# Altium PCB ECSE478 - DAQ Device.PcbDoc (part 2 of 4) (continued)
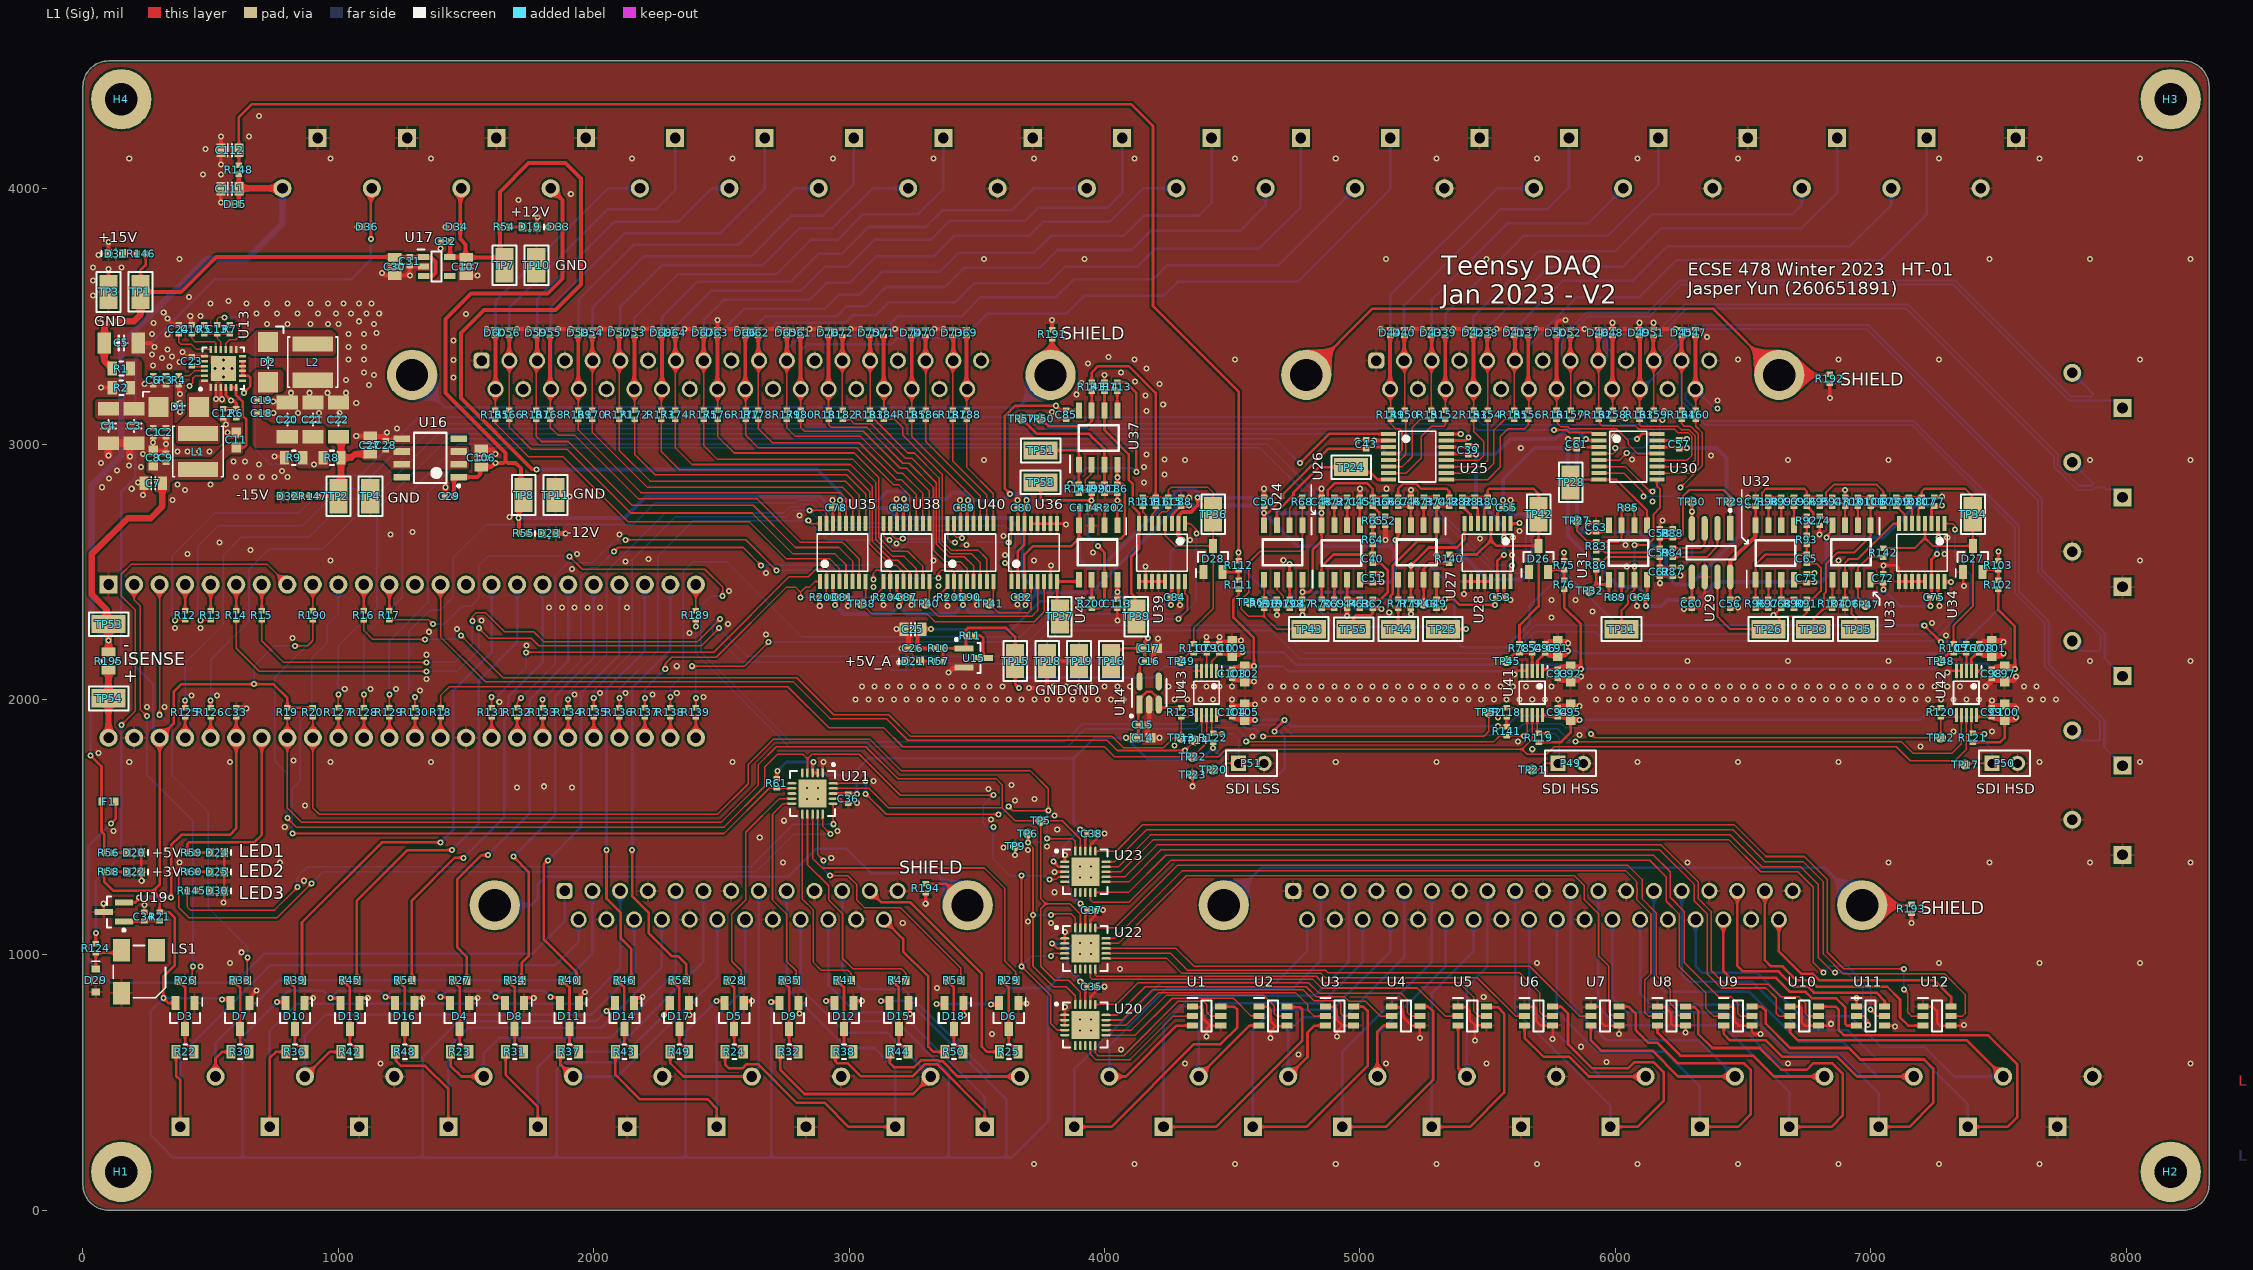
[diagram p0: L1 (Sig) view]
## Nets (pads, with @x,y where several pads share a name; then routed paths per layer and width w, separated by ;. In a path a pad name is that pad's centre, name@x,y a point inside that pad or via, vN(x,y) a via of type N, cw(c..) or ccw(c..) an arc to the next point about the centre after c; other vN are vias at no path point) (continued)
  L4 (Sig) w10: v1(3320,2275) 3640,2275 3750,2385 4015,2385 v1(4050,2420) 4085,2385 4145,2385 4160,2370 v1(4260,2370) 4260,2580 v1(4305,2625) ; v1(4775,2420) 4995,2420 5022.5,2392.5 v1(5333.75,2392.5) ; v1(6478.75,2393.75) 7013.75,2393.75 v1(7050,2430) 7115,2365 v1(7235,2365) ; v1(7260,2570) 7260,2622.33 7262.39,2624.72 7262.39,2632.39 v1(7265,2635)
  L4 (Sig) w15: v1(1775,2900) 2875,2900 2965,2810 v1(2965,2780) 3115,2780 3150,2815 3205,2815 3209.99,2810.01 3215,2805 v1(3215,2785) 3380,2785 3405,2810 3450,2810 3463.35,2796.65 3463.35,2781.65 v1(3465,2780) 3605,2780 v1(3630,2805) 3680,2805 3693.35,2791.65 3693.35,2781.65 v1(3695,2780) 3850,2780 3900,2730 3900,2550 3935,2515 3985,2515 4295,2825 4350,2825 4365,2810 v1(4365,2790) 4620,2790 4680,2730 v1(4850,2730) ; v1(5056.02,3013.98) 5110,2960 v1(5455,2960) ; v1(5565,2565) v1(5565,2635) 5565,2675 5455,2785 v1(5455,2960) ; v1(6280,2985) 6395,2985 6435,2945 6435,2810 6485,2760 ; v1(6520,2760) 6485,2760 ; v1(5455,2960) 5530,2960 5590,3020 5770,3020 5805,3055 5850,3055 v1(5885,3020) 5850,2985 5850,2675 5870,2655 v1(5895,2655) 6095,2655 6200,2550 6200,2485 6235,2450 6295,2450 6485,2640 6485,2760
+15: C5.2 C30.2 C31.2 R1.1 R146.2 TP1.1 U17.1 U17.3 | length 1906.1
  L1 (Sig) w10: TP1.1@225,3595.87 225,3680.87 245.06,3700.93 R146.2@245.06,3745.87
  L1 (Sig) w15: TP1.1@225,3595.87 385,3595.87 521.63,3732.5 C31.2@1280,3732.5 1333.73,3732.5 U17.1@1333.82,3732.4 1337.08,3729.15 1365.85,3729.15 1380,3715 1380,3670 1368.35,3658.35 1334.57,3658.35 U17.3@1333.82,3657.6
  L1 (Sig) w25: R1.1@114.57,3295.87 114.57,3304.72 109.35,3309.94 100.49,3309.94 83.07,3327.36 C5.2@83.07,3395.87 84.19,3396.99 84.19,3460.06 105,3480.87 200,3480.87 225,3505.87 TP1.1@225,3595.87
-12: C29.2 C43.2 C50.1 C51.1 C52.1 C55.2 C60.2 C61.2 C64.1 C73.1 C74.1 C77.2 C81.2 C82.2 C86.1 C87.2 C88.2 C90.2 C106.2 C114.1 D33.2 P7.2 R55.2 TP8.1 U16.1 U24.4 U25.3 U26.4 U27.4 U28.3 U29.5 U30.3 U31.4 U32.4 U33.4 U34.3 U35.3 U36.3 U37.4 U38.3 U39.3 U40.3 U44.4 | length 13956.2
  L1 (Sig) w10: U35.3@2936.61,2461.81 2936.61,2420.89 2949.7,2407.8 2951.67,2407.8 2957.5,2401.97 C81.2@2957.5,2400 2951.67,2394.17 2951.67,2380.36 2945,2373.69 v1(2945,2370) ; U38.3@3186.61,2461.81 3186.61,2420.89 3199.7,2407.8 C87.2@3201.67,2407.8 ; U40.3@3436.61,2461.81 3436.61,2420.89 3449.7,2407.8 3451.67,2407.8 3457.5,2401.97 C90.2@3457.5,2400 3451.67,2394.17 3451.67,2380.36 3445,2373.69 v1(3445,2370) ; v1(3690,2370) 3691.25,2371.25 3691.25,2398.75 C82.2@3692.5,2400 3692.5,2401.97 3686.61,2407.85 U36.3@3686.61,2461.81 3686.61,2566.61 3720,2600 3870,2600 3900,2630 ; C114.1@3902.5,2750 3902.5,2683.8 U44.4@3900,2681.3 3900,2630 ; U37.4@4050,2918.7 v1(4050,2870) C86.1@4050,2842.5 4072.5,2842.5 4080,2835 4080,2645 4065,2630 3900,2630 ; U39.3@4263.39,2688.19 4266.26,2691.06 4266.26,2723.76 4292.2,2749.7 4292.2,2751.67 4298.03,2757.5 C88.2@4300,2757.5 4327.5,2757.5 v1(4330,2760) ; U24.4@4625,2681.3 v1(4625,2730) ; C50.1@4625,2757.5 v1(4625,2730) ; U26.4@5000,2468.7 5000,2464.31 5006.81,2457.5 C51.1@5050,2457.5 5082.5,2457.5 v1(5085,2460) ; C52.1@5100,2717.5 5105.52,2711.98 5119.32,2711.98 5129.05,2702.25 5143.19,2702.25 5150,2695.44 U27.4@5150,2681.3 5150,2637.15 5140,2627.15 v1(5140,2624.69) ; U25.3@5111.81,2988.39 5032.85,2988.39 5026.97,2982.5 C43.2@5025,2982.5 4877.5,2982.5 4700,2805 4700,2790 4640.29,2730.29 4625.29,2730.29 v1(4625,2730) ; U28.3@5538.39,2688.19 5538.39,2730.89 5549.7,2742.2 5551.67,2742.2 5557.5,2748.03 C55.2@5557.5,2750 5558.75,2751.25 5558.75,2778.75 v1(5560,2780) ; v1(5815,2985) 5817.5,2982.5 C61.2@5850,2982.5 5851.97,2982.5 5857.85,2988.39 U30.3@5936.81,2988.39 ; v1(6120,2365) 6117.5,2367.5 C64.1@6117.5,2400 6117.5,2401.97 6125,2409.47 U31.4@6125,2468.7 ; v1(6270,2390) 6271.25,2391.25 6298.75,2391.25 C60.2@6300,2392.5 U29.5@6300,2479.98 ; U32.4@6700,2468.7 6700,2464.31 6706.81,2457.5 C73.1@6750,2457.5 6751.25,2458.75 6778.75,2458.75 v1(6780,2460) ; C74.1@6800,2717.5 6805.52,2711.98 6819.32,2711.98 6829.05,2702.25 6843.19,2702.25 6850,2695.44 6850,2662.6 6840.79,2653.39 6840.79,2650.79 6826.57,2636.57 v1(6826.57,2634.37) ; U34.3@7238.39,2688.19 7238.39,2745.82 7242.2,2749.63 7242.2,2751.67 7248.03,2757.5 C77.2@7250,2757.5 7277.5,2757.5 v1(7280,2760)
  L1 (Sig) w15: C29.2@1452.5,2795.87 1452.5,2865.57 1457.8,2870.87 U16.1@1471.22,2870.87 1545,2870.87 1555,2880.87 1555,2905.43 1560.72,2911.15 1600.29,2911.15 v1(1615,2925.87) 1646.21,2925.87 1655,2934.65 ; R55.2@1707.5,2650 1707.5,2705.17 1705,2707.67 1705,2712.33 1707.5,2714.83 1707.5,2782.5 TP8.1@1725,2800 1715,2810 1715,2905 1694.13,2925.87 1663.79,2925.87 1655,2934.65 ; P7.2@1831.1,4001.57 1877.56,3955.12 D33.2@1877.56,3850 1877.56,3647.56 1820,3590 1520,3590 1420,3490 1420,3200 1655,2965 1655,2934.65 ; v1(3195,2365) 3195,2367.33 3204.17,2376.51 3204.17,2396.67 C87.2@3207.5,2400
  L4 (Sig) w15: v1(1705,2710) 2120,2710 2205,2795 2885,2795 2930,2750 3145,2750 3185,2710 3625,2710 3680,2655 3680,2480 3740,2420 ; v1(2945,2370) 2980,2335 3165,2335 v1(3195,2365) 3225,2335 3410,2335 v1(3445,2370) 3475,2340 3662.33,2340 3690,2367.67 v1(3690,2370) 3740,2420 ; v1(5085,2460) 5120,2460 5135,2475 5135,2580 5115,2600 ; v1(7280,2760) 7175,2760 7049.37,2634.37 v1(6826.57,2634.37) 6826.57,2481.57 6805,2460 v1(6780,2460) 6395,2460 6325,2390 v1(6270,2390) 6205,2390 6180,2365 v1(6120,2365) 6120,2410 6090,2440 6015,2440 5815,2640 v1(5815,2985) 5685,2985 5560,2860 v1(5560,2780) 5561.65,2778.35 5561.65,2753.35 5590,2725 5650,2725 5675,2700 5675,2510 5635,2470 5500,2470 5345.31,2624.69 v1(5140,2624.69) 5139.69,2624.69 5115,2600 ; 3740,2420 3950,2420 4290,2760 v1(4330,2760) 4595,2760 v1(4625,2730) 4755,2600 5115,2600
-15: C22.2 C27.2 C28.2 R8.1 R147.2 TP2.1 U16.2 U16.3 U16.6 U16.7 | length 442.3
  L1 (Sig) w10: R147.2@920.06,2795.87 TP2.1@1000,2795.87
  L1 (Sig) w25: TP2.1@1000,2795.87 1010.43,2806.3 R8.1@1010.43,2945.87 ; C22.2@1000,3028.94 1010.43,3018.5 R8.1@1010.43,2945.87 ; C27.2@1125,2960.43 1064.57,2960.43 1051,2946.87 1011.44,2946.87 R8.1@1010.43,2945.87
AIN_HS_DE_1_N: D52.2 J2.8 P16.1 R157.1 | length 2875.4
  L1 (Sig) w6: R157.1@5825,3132.5 J2.8@5825,3326.61
  L1 (Sig) w8: J2.8@5824.02,3327.6 J2.8@5824.8,3326.81 J2.8@5825,3326.61
  L1 (Sig) w15: J2.8@5824.02,3327.6 D52.2@5824.02,3422.44
  L4 (Sig) w8: J2.8@5824.8,3326.81 5809.92,3326.81 5795.2,3341.54 5794.02,3341.54 5788.74,3346.81 5788.74,3393.74 5895,3500 6135,3500 6260,3625 7322.37,3625 7776.59,3170.78 7956.6,3170.78 P16.1@7986.28,3141.1
AIN_HS_DE_1_P: D50.2 J2.20 P16.2 R161.1 | length 2985.2
  L1 (Sig) w6: R161.1@5770,3132.5 J2.20@5770,3214.53
  L1 (Sig) w8: D50.2@5769.02,3422.44 D50.2@5770.47,3420.98 ; J2.20@5770,3214.53 J2.20@5770.47,3215
  L1 (Sig) w15: J2.20@5770.47,3215 D50.2@5770.47,3420.98
  L4 (Sig) w8: J2.20@5770.47,3215 5770.47,3398.1 5888.37,3516 6128.37,3516 6253.37,3641 7329,3641 7783.22,3186.78 7865.55,3186.78 7870.23,3191.46 7870.23,3198.09 P16.2@7789.43,3278.9
AIN_HS_DE_2_N: D48.2 J2.22 P18.1 R158.1 | length 2903.2
  L1 (Sig) w6: R158.1@5990,3132.5 J2.22@5990,3212.8
  L1 (Sig) w8: J2.22@5989.02,3216.22 J2.22@5987.8,3215 J2.22@5990,3212.8
  L1 (Sig) w15: J2.22@5989.02,3216.22 D48.2@5989.02,3422.44
  L4 (Sig) w8: J2.22@5987.8,3215 5986.42,3216.37 5986.42,3357.99 5968.63,3375.79 5968.63,3416 5982.63,3430 6177.63,3430 6277.63,3530 7140,3530 7717.99,2952.01 7717.99,2910.62 7807.84,2820.78 7872.17,2820.78 7881.55,2830.15 7914.39,2830.15 7922,2822.54 7954.84,2822.54 P18.1@7986.28,2791.1
AIN_HS_DE_2_P: D46.2 J2.9 P18.2 R162.1 | length 2830
  L1 (Sig) w6: D46.2@5933.46,3421.89 D46.2@5934.02,3422.44 ; R162.1@5935,3132.5 J2.9@5935,3325.28
  L1 (Sig) w8: J2.9@5933.46,3326.81 J2.9@5935,3325.28
  L1 (Sig) w15: J2.9@5933.46,3326.81 D46.2@5933.46,3421.89
  L4 (Sig) w8: J2.9@5933.46,3326.81 5943.99,3337.33 5963.02,3337.33 5970.42,3344.74 5970.42,3351.37 5952.63,3369.16 5952.63,3422.63 5976,3446 6171,3446 6271,3546 7146.63,3546 7733.99,2958.64 7733.99,2917.25 7814.46,2836.78 7865.55,2836.78 7870.23,2841.46 7870.23,2848.09 P18.2@7789.43,2928.9
AIN_HS_DE_3_N: D51.2 J2.11 P22.1 R159.1 | length 2976.4
  L1 (Sig) w6: R159.1@6150,3132.5 J2.11@6150,3326.02
  L1 (Sig) w8: J2.11@6149.02,3328.58 J2.11@6150.79,3326.81 J2.11@6150,3326.02
  L1 (Sig) w15: J2.11@6149.02,3328.58 D51.2@6149.02,3422.44
  L4 (Sig) w8: J2.11@6150.79,3326.81 6163.14,3326.81 6302.33,3466 6991.63,3466 7671,2786.63 7671,2506.63 7915.84,2261.79 7915.84,2161.54 P22.1@7986.28,2091.1
AIN_HS_DE_3_P: D49.2 J2.23 P22.2 R163.1 | length 3057.3
  L1 (Sig) w6: R163.1@6095,3132.5 J2.23@6095,3213.54
  L1 (Sig) w8: D49.2@6094.02,3422.44 D49.2@6096.46,3420 ; J2.23@6095,3213.54 J2.23@6096.46,3215
  L1 (Sig) w15: J2.23@6096.46,3215 D49.2@6096.46,3420
  L4 (Sig) w8: J2.23@6096.46,3215 6103.08,3215 6200,3311.92 6200,3341.05 6308.95,3450 6985,3450 7655,2780 7655,2500 7899.84,2255.16 7899.84,2194.84 7894.85,2189.85 7828.47,2189.85 P22.2@7789.43,2228.9
AIN_HS_DE_4_N: D47.2 J2.25 P24.1 R160.1 | length 3093.5
  L1 (Sig) w6: R160.1@6315,3132.5 J2.25@6315,3213.78
  L1 (Sig) w8: J2.25@6314.02,3215.24 J2.25@6313.78,3215 J2.25@6315,3213.78
  L1 (Sig) w15: J2.25@6314.02,3215.24 D47.2@6314.02,3422.44
  L4 (Sig) w8: v1(6400,3140) 6397.01,3142.99 6385.79,3142.99 J2.25@6313.78,3215 6303.26,3204.48 6281.48,3204.48 6275.45,3198.45 6275.45,3174.55 6360,3090 7170,3090 7581,2679 7581,2424 7696,2309 7696,2139 7914.84,1920.16 7914.84,1812.54 P24.1@7986.28,1741.1
AIN_HS_DE_4_P: D45.2 J2.12 P24.2 R164.1 | length 3054.2
  L1 (Sig) w6: R164.1@6260,3132.5 J2.12@6260,3326.26
  L1 (Sig) w8: J2.12@6259.45,3326.81 J2.12@6260,3326.26 ; D45.2@6259.45,3420.91 D45.2@6260.98,3422.44
  L1 (Sig) w15: J2.12@6259.45,3326.81 D45.2@6259.45,3420.91
  L4 (Sig) w8: J2.12@6259.45,3326.81 6259.45,3167.92 6353.37,3074 7163.37,3074 7565,2672.37 7565,2417.37 7680,2302.37 7680,2132.37 7898.84,1913.53 7898.84,1844.54 7894.16,1839.85 7828.47,1839.85 P24.2@7789.43,1878.9
AIN_HS_DE_FILTERED: C76.2 R105.1 TP48.1 U42.3 | length 184.3
  L1 (Sig) w8: TP48.1@7275,2150 7304.89,2179.89 7322.39,2179.89 R105.1@7325,2182.5 C76.2@7375,2182.5 U42.3@7375,2111.61
AIN_HS_SE_1: D44.2 J2.14 P15.2 R149.1 | length 1395
  L1 (Sig) w6: D44.2@5118.5,3421.93 D44.2@5119.02,3422.44 ; R149.1@5120,3132.5 J2.14@5120,3213.5
  L1 (Sig) w10: J2.14@5118.5,3215 J2.14@5120,3213.5
  L1 (Sig) w15: J2.14@5118.5,3215 D44.2@5118.5,3421.93
  L4 (Sig) w10: J2.14@5118.5,3215 5118.5,3583.5 5536.57,4001.57 P15.2@5681.1,4001.57
AIN_HS_SE_2: D40.2 J2.2 P15.1 R150.1 | length 1538.9
  L1 (Sig) w6: R150.1@5175,3132.5 J2.2@5175,3324.65
  L1 (Sig) w10: J2.2@5174.02,3327.99 J2.2@5172.83,3326.81 J2.2@5175,3324.65
  L1 (Sig) w15: J2.2@5174.02,3327.99 D40.2@5174.02,3422.44
  L4 (Sig) w10: J2.2@5172.83,3326.81 5172.83,3542.83 5550,3920 5735,3920 5818.9,4003.9 P15.1@5818.9,4198.43
AIN_HS_SE_3: D43.2 J2.3 P17.2 R151.1 | length 1461.1
  L1 (Sig) w6: D43.2@5279.02,3422.44 D43.2@5281.5,3419.96 ; R151.1@5280,3132.5 J2.3@5280,3325.32
  L1 (Sig) w10: J2.3@5280,3325.32 J2.3@5281.5,3326.81
  L1 (Sig) w15: J2.3@5281.5,3326.81 D43.2@5281.5,3419.96
  L4 (Sig) w10: J2.3@5281.5,3326.81 5281.5,3566.5 5580,3865 5894.53,3865 P17.2@6031.1,4001.57
AIN_HS_SE_4: D39.2 J2.16 P17.1 R152.1 | length 1812.8
  L1 (Sig) w6: R152.1@5335,3132.5 J2.16@5335,3214.17
  L1 (Sig) w10: J2.16@5334.02,3216.81 J2.16@5335.83,3215 J2.16@5335,3214.17
  L1 (Sig) w15: J2.16@5334.02,3216.81 D39.2@5334.02,3422.44
  L4 (Sig) w10: J2.16@5335.83,3215 5335.83,3510.83 5640,3815 5970,3815 6168.9,4013.9 P17.1@6168.9,4198.43
AIN_HS_SE_5: D42.2 J2.17 P21.2 R153.1 | length 2107.8
  L1 (Sig) w6: R153.1@5445,3132.5 J2.17@5445,3214.49
  L1 (Sig) w10: D42.2@5444.02,3422.44 D42.2@5444.49,3421.97 ; J2.17@5444.49,3215 J2.17@5445,3214.49
  L1 (Sig) w15: J2.17@5444.49,3215 D42.2@5444.49,3421.97
  L4 (Sig) w10: J2.17@5444.49,3215 5444.49,3499.49 5700,3755 6000,3755 6145,3900 6695,3900 6731.1,3936.1 P21.2@6731.1,4001.57
AIN_HS_SE_6: D38.2 J2.5 P21.1 R154.1 | length 2221.7
  L1 (Sig) w6: R154.1@5500,3132.5 J2.5@5500,3325.63
  L1 (Sig) w10: J2.5@5499.02,3327.01 J2.5@5498.82,3326.81 J2.5@5500,3325.63
  L1 (Sig) w15: J2.5@5499.02,3327.01 D38.2@5499.02,3422.44
  L4 (Sig) w10: J2.5@5498.82,3326.81 5498.82,3453.82 5740,3695 6030,3695 6180,3845 6730,3845 6868.9,3983.9 P21.1@6868.9,4198.43
AIN_HS_SE_7: D41.2 J2.6 P23.2 R155.1 | length 2157.5
  L1 (Sig) w6: D41.2@5604.02,3422.44 D41.2@5607.48,3418.98 ; R155.1@5605,3132.5 J2.6@5605,3324.33
  L1 (Sig) w10: J2.6@5605,3324.33 J2.6@5607.48,3326.81
  L1 (Sig) w15: J2.6@5607.48,3326.81 D41.2@5607.48,3418.98
  L4 (Sig) w10: J2.6@5607.48,3326.81 5607.48,3452.48 5795,3640 6070,3640 6205,3775 6920,3775 7081.1,3936.1 P23.2@7081.1,4001.57
AIN_HS_SE_8: D37.2 J2.19 P23.1 R156.1 | length 2532.4
  L1 (Sig) w6: R156.1@5661.81,3134.31 J2.19@5661.81,3215
  L1 (Sig) w10: J2.19@5659.02,3217.8 J2.19@5661.81,3215 ; R156.1@5660,3132.5 R156.1@5661.81,3134.31
  L1 (Sig) w15: J2.19@5659.02,3217.8 D37.2@5659.02,3422.44
  L4 (Sig) w10: J2.19@5661.81,3215 5661.81,3386.81 5850,3575 6095,3575 6240,3720 7040,3720 7218.9,3898.9 P23.1@7218.9,4198.43
AIN_HS_SE_FILTERED: C54.2 R78.1 TP45.1 U41.3 | length 184.3
  L1 (Sig) w10: TP45.1@5575,2150 5603.83,2178.83 5621.33,2178.83 R78.1@5625,2182.5 C54.2@5675,2182.5 U41.3@5675,2111.61
AIN_HS_SE_MUX_OUT: TP24.1 U24.3 U25.8 | length 589.4
  L1 (Sig) w10: U24.3@4675,2681.3 4675,2735 4740,2800 4740,2810 4840,2910 TP24.1@4965,2910 4986.07,2888.93 5041.07,2888.93 5069.57,2860.43 U25.8@5111.81,2860.43
AIN_LS_MUX_1_EN: R131.2 R203.1 U35.2 | length 1701.1
  L1 (Sig) w6: R131.2@1600,1967.5 v1(1600,2010) ; v1(1735,2183.54) 1736.46,2185 2470,2185 2765,2480 2840,2480 2870,2510 2900,2510 2911.02,2498.98 U35.2@2911.02,2461.81 2911.02,2406.48 R203.1@2917.5,2400
  L4 (Sig) w6: v1(1600,2010) 1619.77,2010 1635.98,2026.22 1636.22,2026.22 1735,2125 v1(1735,2183.54)
AIN_LS_MUX_2_EN: R132.2 R204.1 U38.2 | length 2147.8
  L1 (Sig) w6: R132.2@1700,1967.5 1700,1990.23 1714.77,2005 v1(1715,2005) ; v1(2125,2625) 2595,2625 v1(2715,2505) ; v1(3095,2470) 3095,2495 3105,2505 3157.51,2505 3161.02,2501.49 U38.2@3161.02,2461.81 3161.02,2406.48 R204.1@3167.5,2400
  L4 (Sig) w6: v1(1715,2005) 1850,2140 1850,2485 1900,2535 1995,2535 2085,2625 v1(2125,2625) ; v1(2715,2505) 3060,2505 v1(3095,2470)
AIN_LS_MUX_3_EN: R133.2 R205.1 U40.2 | length 2260.9
  L1 (Sig) w6: R133.2@1800,1967.5 v1(1800,2000) ; v1@2080.31,2580.31 2095,2595 2585,2595 v1(2655,2525) ; v1(3350,2475) 3350,2495 3360,2505 3405,2505 3411.02,2498.98 U40.2@3411.02,2461.81 3411.02,2406.48 R205.1@3417.5,2400
  L4 (Sig) w6: v1(1800,2000) 1950,2150 1950,2480 1985,2515 2015,2515 v1(2080,2580) ; v1(2655,2525) 3095,2525 3145,2475 v1(3350,2475)
AIN_LS_MUX_SELECT_A0: R130.2 U36.1 | length 3252.8
  L1 (Sig) w6: R130.2@1300,1967.5 v1(1300,2010) ; v1(3610,2535) 3635.43,2509.57 U36.1@3635.43,2461.81
  L4 (Sig) w6: v1(1300,2010) 1275,2035 1275,2265 1360,2350 1400,2350 1450,2400 1450,2555 1580,2685 2155,2685 2240,2770 2790,2770 2799.5,2779.5 2870.5,2779.5 2960,2690 3180,2690 3190,2680 3610,2680 3650,2640 3650,2570 3621.22,2541.22 3620.98,2541.22 3614.77,2535 v1(3610,2535)
AIN_LS_MUX_SELECT_A1: R134.2 U36.16 | length 2419
  L1 (Sig) w6: R134.2@1900,1967.5 v1(1900,2000) ; v1(3625,2615) 3635.43,2625.43 U36.16@3635.43,2688.19
  L4 (Sig) w6: v1(1900,2000) 1900,2025 2050,2175 2050,2500 2280,2730 2745,2730 2770,2755 2805,2755 2815,2765 2855,2765 2945,2675 3175,2675 3190,2660 3460,2660 3505,2615 v1(3625,2615)
AIN_LS_SE_1: D60.2 J1.20 P1.2 R165.1 | length 1384.5
  L1 (Sig) w6: D60.2@1614.02,3422.44 D60.2@1615.32,3421.14 ; R165.1@1615,3132.5 1615,3214.69 J1.20@1615.32,3215
  L1 (Sig) w15: J1.20@1615.32,3215 D60.2@1615.32,3421.14
  L4 (Sig) w10: J1.20@1615.32,3215 1615.32,3560.31 2056.57,4001.57 P1.2@2181.1,4001.57
AIN_LS_SE_2: D56.2 J1.2 P1.1 R166.1 | length 1542
  L1 (Sig) w6: R166.1@1669.65,3132.5 J1.2@1669.65,3326.81
  L1 (Sig) w10: J1.2@1669.02,3327.44 J1.2@1669.65,3326.81
  L1 (Sig) w15: J1.2@1669.02,3327.44 D56.2@1669.02,3422.44
  L4 (Sig) w10: J1.2@1669.65,3326.81 1669.65,3534.65 2055,3920 2245,3920 2318.9,3993.9 P1.1@2318.9,4198.43
AIN_LS_SE_3: D59.2 J1.3 P5.2 R167.1 | length 1466.8
  L1 (Sig) w6: D59.2@1774.02,3422.44 D59.2@1778.31,3418.15 ; R167.1@1775,3132.5 1775,3323.5 J1.3@1778.31,3326.81
  L1 (Sig) w15: J1.3@1778.31,3326.81 D59.2@1778.31,3418.15
  L4 (Sig) w10: J1.3@1778.31,3326.81 1778.31,3568.31 2080,3870 2330,3870 2461.57,4001.57 P5.2@2531.1,4001.57
AIN_LS_SE_4: D55.2 J1.22 P5.1 R168.1 | length 1842
  L1 (Sig) w6: R168.1@1830,3132.5 1830,3212.36 J1.22@1832.64,3215
  L1 (Sig) w10: J1.22@1829.02,3218.62 J1.22@1832.64,3215
  L1 (Sig) w15: J1.22@1829.02,3218.62 D55.2@1829.02,3422.44
  L4 (Sig) w10: J1.22@1832.64,3215 1832.64,3537.64 2120,3825 2495,3825 2668.9,3998.9 P5.1@2668.9,4198.43
AIN_LS_SE_5: D58.2 J1.23 P9.2 R169.1 | length 1762.8
  L1 (Sig) w6: R169.1@1940,3132.5 J1.23@1940,3213.7
  L1 (Sig) w10: J1.23@1939.02,3217.28 J1.23@1941.3,3215 J1.23@1940,3213.7
  L1 (Sig) w15: J1.23@1939.02,3217.28 D58.2@1939.02,3422.44
  L4 (Sig) w10: J1.23@1941.3,3215 1941.3,3566.3 2155,3780 2565,3780 2786.57,4001.57 P9.2@2881.1,4001.57
AIN_LS_SE_6: D54.2 J1.5 P9.1 R170.1 | length 1902.7
  L1 (Sig) w6: R170.1@1995,3132.5 J1.5@1995,3326.18
  L1 (Sig) w10: J1.5@1994.02,3328.43 J1.5@1995.63,3326.81 J1.5@1995,3326.18
  L1 (Sig) w15: J1.5@1994.02,3328.43 D54.2@1994.02,3422.44
  L4 (Sig) w10: J1.5@1995.63,3326.81 1995.63,3535.63 2195,3735 2615,3735 2775,3895 2895,3895 3018.9,4018.9 P9.1@3018.9,4198.43
AIN_LS_SE_7: D57.2 J1.6 P11.2 R171.1 | length 1824.7
  L1 (Sig) w6: R171.1@2100,3132.5 J1.6@2100,3322.52
  L1 (Sig) w10: J1.6@2099.02,3332.09 J1.6@2104.29,3326.81 J1.6@2100,3322.52
  L1 (Sig) w15: J1.6@2099.02,3332.09 D57.2@2099.02,3422.44
  L4 (Sig) w10: J1.6@2104.29,3326.81 2104.29,3539.29 2265,3700 2660,3700 2805,3845 2935,3845 3091.57,4001.57 P11.2@3231.1,4001.57
AIN_LS_SE_8: D53.2 J1.25 P11.1 R172.1 | length 2189.4
  L1 (Sig) w6: R172.1@2160,3132.5 J1.25@2160,3213.62
  L1 (Sig) w10: J1.25@2159.02,3215.39 J1.25@2158.62,3215 J1.25@2160,3213.62
  L1 (Sig) w15: J1.25@2159.02,3215.39 D53.2@2159.02,3422.44
  L4 (Sig) w10: J1.25@2158.62,3215 2158.62,3493.62 2330,3665 2715,3665 2850,3800 2945,3800 2945.86,3799.14 2954.14,3799.14 3055,3900 3270.47,3900 3368.9,3998.43 P11.1@3368.9,4198.43
AIN_LS_SE_9: D68.2 J1.26 P2.2 R173.1 | length 2447.2
  L1 (Sig) w6: D68.2@2264.02,3422.44 D68.2@2267.28,3419.17 ; R173.1@2265,3132.5 J1.26@2265,3212.72
  L1 (Sig) w10: J1.26@2265,3212.72 J1.26@2267.28,3215
  L1 (Sig) w15: J1.26@2267.28,3215 D68.2@2267.28,3419.17
  L4 (Sig) w10: J1.26@2267.28,3215 2267.28,3497.28 2405,3635 2770,3635 2880,3745 2970,3745 3075,3850 3300,3850 3365,3915 3635,3915 3721.57,4001.57 P2.2@3931.1,4001.57
AIN_LS_SE_10: D64.2 J1.8 P2.1 R174.1 | length 2604.6
  L1 (Sig) w6: R174.1@2320,3132.5 J1.8@2320,3325.2
  L1 (Sig) w10: J1.8@2319.02,3329.41 J1.8@2321.61,3326.81 J1.8@2320,3325.2
  L1 (Sig) w15: J1.8@2319.02,3329.41 D64.2@2319.02,3422.44
  L4 (Sig) w10: J1.8@2321.61,3326.81 2321.61,3461.61 2460,3600 2810,3600 2905,3695 2995,3695 3100,3800 3320,3800 3395,3875 3690,3875 3740,3925 4010,3925 4068.9,3983.9 P2.1@4068.9,4198.43
AIN_LS_SE_11: D67.2 J1.9 P6.2 R175.1 | length 2513.7
  L1 (Sig) w6: D67.2@2429.02,3422.44 D67.2@2430.28,3421.18 ; R175.1@2430,3132.5 J1.9@2430,3326.54
  L1 (Sig) w10: J1.9@2430,3326.54 J1.9@2430.28,3326.81
  L1 (Sig) w15: J1.9@2430.28,3326.81 D67.2@2430.28,3421.18
  L4 (Sig) w10: J1.9@2430.28,3326.81 2430.28,3485.28 2510,3565 2845,3565 2911.37,3631.37 3001.37,3631.37 3105,3735 3330,3735 3410,3815 3705,3815 3760,3870 4020,3870 4151.57,4001.57 P6.2@4281.1,4001.57
AIN_LS_SE_12: D63.2 J1.28 P6.1 R176.1 | length 2904.8
  L1 (Sig) w6: R176.1@2485,3132.5 J1.28@2485,3214.61
  L1 (Sig) w10: J1.28@2484.02,3215.59 J1.28@2484.61,3215 J1.28@2485,3214.61
  L1 (Sig) w15: J1.28@2484.02,3215.59 D63.2@2484.02,3422.44
  L4 (Sig) w10: J1.28@2484.61,3215 2484.61,3424.61 2590,3530 2905,3530 2960,3585 3040,3585 3130,3675 3355,3675 3430,3750 3725,3750 3790,3815 4075,3815 4155,3895 4370,3895 4420,3945 4420,4197.32 P6.1@4418.9,4198.43
AIN_LS_SE_13: D66.2 J1.29 P10.2 R177.1 | length 2815
  L1 (Sig) w6: D66.2@2593.27,3421.69 D66.2@2594.02,3422.44 ; R177.1@2595,3132.5 J1.29@2595,3213.27
  L1 (Sig) w10: J1.29@2593.27,3215 J1.29@2595,3213.27
  L1 (Sig) w15: J1.29@2593.27,3215 D66.2@2593.27,3421.69
  L4 (Sig) w10: J1.29@2593.27,3215 2593.27,3423.27 2670,3500 2950,3500 2989.72,3539.72 3069.72,3539.72 3145,3615 3375,3615 3450,3690 3745,3690 3815,3760 4105,3760 4180,3835 4530,3835 4631.1,3936.1 P10.2@4631.1,4001.57
AIN_LS_SE_14: D62.2 J1.11 P10.1 R178.1 | length 2980
  L1 (Sig) w6: R178.1@2645,3132.5 J1.11@2645,3324.21
  L1 (Sig) w10: J1.11@2644.02,3330.39 J1.11@2647.6,3326.81 J1.11@2645,3324.21
  L1 (Sig) w15: J1.11@2644.02,3330.39 D62.2@2644.02,3422.44
  L4 (Sig) w10: J1.11@2647.6,3326.81 2647.6,3407.6 2715,3475 2985,3475 3015,3505 3105,3505 3155,3555 3415,3555 3490,3630 3780,3630 3845,3695 4130,3695 4200,3765 4605,3765 4768.9,3928.9 P10.1@4768.9,4198.43
AIN_LS_SE_15: D65.2 J1.12 P12.2 R179.1 | length 2821.8
  L1 (Sig) w6: D65.2@2754.02,3422.44 D65.2@2756.26,3420.2 ; R179.1@2755,3132.5 J1.12@2755,3325.55
  L1 (Sig) w10: J1.12@2755,3325.55 J1.12@2756.26,3326.81
  L1 (Sig) w15: J1.12@2756.26,3326.81 D65.2@2756.26,3420.2
  L4 (Sig) w10: J1.12@2756.26,3326.81 2757.45,3328 2757.45,3372.45 2810,3425 3115,3425 3190.04,3500.04 3440.04,3500.04 3515,3575 3810,3575 3880,3645 4190,3645 4245,3700 4679.53,3700 P12.2@4981.1,4001.57
AIN_LS_SE_16: D61.2 J1.31 P12.1 R180.1 | length 3211.6
  L1 (Sig) w6: J1.31@2809.02,3216.57 J1.31@2810.59,3215 2810,3214.41 R180.1@2810,3132.5
  L1 (Sig) w15: J1.31@2809.02,3216.57 D61.2@2809.02,3422.44
  L4 (Sig) w10: J1.31@2810.59,3215 2810.59,3365.59 2835,3390 3165,3390 3190,3415 3445,3415 3540,3510 3850,3510 3920,3580 4230,3580 4285,3635 4755,3635 5118.9,3998.9 P12.1@5118.9,4198.43
AIN_LS_SE_17: D76.2 J1.32 R181.1 | length 282.5
  L1 (Sig) w6: D76.2@2919.02,3422.44 D76.2@2919.25,3422.2 ; R181.1@2919.25,3140 J1.32@2919.25,3215
  L1 (Sig) w15: J1.32@2919.25,3215 D76.2@2919.25,3422.2
AIN_LS_SE_18: D72.2 J1.14 R182.1 | length 290.7
  L1 (Sig) w6: J1.14@2974.02,3327.24 J1.14@2973.58,3326.81 2973.58,3133.92 R182.1@2975,3132.5
  L1 (Sig) w15: J1.14@2974.02,3327.24 D72.2@2974.02,3422.44
AIN_LS_SE_19: D75.2 J1.15 R183.1 | length 291.3
  L1 (Sig) w6: D75.2@3079.02,3422.44 D75.2@3082.24,3419.21 ; R183.1@3082.24,3132.5 J1.15@3082.24,3326.81
  L1 (Sig) w15: J1.15@3082.24,3326.81 D75.2@3082.24,3419.21
AIN_LS_SE_20: D71.2 J1.34 R184.1 | length 290.6
  L1 (Sig) w6: J1.34@3135,3216.57 J1.34@3136.57,3215 R184.1@3136.57,3132.5
  L1 (Sig) w15: J1.34@3135,3216.57 D71.2@3135,3422.44
AIN_LS_SE_21: D74.2 J1.35 R185.1 | length 290.5
  L1 (Sig) w6: D74.2@3244.02,3422.44 D74.2@3245.24,3421.22 ; R185.1@3245,3132.5 3245,3214.76 J1.35@3245.24,3215
  L1 (Sig) w15: J1.35@3245.24,3215 D74.2@3245.24,3421.22
AIN_LS_SE_22: D70.2 J1.17 R186.1 | length 290.3
  L1 (Sig) w6: J1.17@3299.02,3327.36 J1.17@3299.57,3326.81 3300,3326.38 R186.1@3300,3132.5
  L1 (Sig) w15: J1.17@3299.02,3327.36 D70.2@3299.02,3422.44
AIN_LS_SE_23: D73.2 J1.18 R187.1 | length 293
  L1 (Sig) w6: D73.2@3404.02,3422.44 D73.2@3408.23,3418.23 ; R187.1@3405,3132.5 3405,3323.58 J1.18@3408.23,3326.81
  L1 (Sig) w15: J1.18@3408.23,3326.81 D73.2@3408.23,3418.23
AIN_LS_SE_24: D69.2 J1.37 R188.1 | length 292.5
  L1 (Sig) w6: J1.37@3459.02,3218.54 J1.37@3462.56,3215 3460,3212.44 R188.1@3460,3132.5
  L1 (Sig) w15: J1.37@3459.02,3218.54 D69.2@3459.02,3422.44
AIN_LS_SE_FILTERED: C79.2 R110.1 TP49.1 U43.3 | length 184.3
  L1 (Sig) w6: TP49.1@4300,2150 4331.72,2181.72 4349.22,2181.72 R110.1@4350,2182.5 C79.2@4400,2182.5 U43.3@4400,2111.61
AIN_LS_SE_MUX_1_OUT: TP38.1 U35.8 U36.6 | length 969.6
  L1 (Sig) w6: U35.8@3064.57,2461.81 3064.57,2395.51 3050,2380.95 TP38.1@3050,2375 3090,2335 3305,2335 3335,2305 3725,2305 3763.39,2343.39 U36.6@3763.39,2461.81
AIN_LS_SE_MUX_2_OUT: TP40.1 U36.5 U38.8 | length 674.8
  L1 (Sig) w6: U38.8@3314.57,2461.81 3314.57,2395.51 3300,2380.95 TP40.1@3300,2375 3350,2325 3715,2325 3737.8,2347.8 U36.5@3737.8,2461.81
AIN_LS_SE_MUX_3_OUT: TP41.1 U36.4 U40.8 | length 384.2
  L1 (Sig) w6: U40.8@3564.57,2461.81 3564.57,2395.51 3550,2380.95 TP41.1@3550,2375 3585,2340 3700,2340 3712.2,2352.2 U36.4@3712.2,2461.81
AIN_MUX_HS_DE_A0: R13.1 U30.1 | length 6037.6
  L1 (Sig) w6: v1(460,2310) 462.5,2312.5 R13.1@500,2312.5
  L1 (Sig) w8: v1(5760,3055) 5810,3055 5820,3045 5906.6,3045 5908.16,3043.44 5932.94,3043.44 U30.1@5936.81,3039.57
  L4 (Sig) w6: v1(460,2310) 460,2312.33 450,2322.33 450,2600 530,2680 860,2680 1005,2825 1080,2825 1335,3080 5435,3080 5460,3055 v1(5760,3055)
AIN_MUX_HS_DE_A1: R12.1 U30.16 | length 6380.4
  L1 (Sig) w6: v1(360,2310) 362.5,2312.5 R12.1@400,2312.5
  L1 (Sig) w10: v1(6085,3020) 6104.57,3039.57 U30.16@6163.19,3039.57
  L4 (Sig) w6: v1(360,2310) 350,2320 350,2565 515,2730 845,2730 992.5,2877.5 1085.27,2877.5 1312.77,3105 5450,3105 5480,3075 5985,3075 6040,3020 v1(6085,3020)
AIN_MUX_HS_SE_A0: R127.2 U25.1 | length 5002.2
  L1 (Sig) w6: R127.2@1000,1967.5 v1(1000,2020)
  L1 (Sig) w10: v1(4765,2925) 4879.57,3039.57 U25.1@5111.81,3039.57
  L4 (Sig) w6: v1(1000,2020) 1000,2210 1150,2360 1150,2745 1425,3020 4670,3020 v1(4765,2925)
AIN_MUX_HS_SE_A1: R126.2 U25.16 | length 5626.2
  L1 (Sig) w6: R126.2@500,1967.5 v1(500,1995)
  L1 (Sig) w10: U25.16@5338.19,3039.57 5394.57,3039.57 v1(5395,3040)
  L4 (Sig) w6: v1(500,1995) 500,2155 650,2305 650,2510 730,2590 940,2590 1390,3040 v1(5395,3040)
AIN_MUX_HS_SE_A2: R125.2 U25.15 | length 5857.3
  L1 (Sig) w6: R125.2@400,1967.5 v1(400,1995)
  L1 (Sig) w10: U25.15@5338.19,3013.98 5413.98,3013.98 v1(5425,3025)
  L4 (Sig) w6: v1(400,1995) 400,2145 550,2295 550,2565 620,2635 885,2635 1035,2785 1090,2785 1365,3060 5410,3060 5425,3045 v1(5425,3025)
AIN_MUX_LS_SE_A0: R137.2 U35.1 U38.1 U40.1 | length 1677.5
  L1 (Sig) w6: R137.2@2200,1967.5 v1(2200,2005) ; v1(2280,2120) 2280,2140 2305,2165 2480,2165 2755,2440 2790,2440 2810,2420 ; v1(2810,2400) 2810,2420 ; U35.1@2885.43,2461.81 2866.81,2461.81 2845,2440 2830,2440 2810,2420 ; v1(3095,2400) 3130.28,2435.28 3130.56,2435.28 3135.43,2440.16 U38.1@3135.43,2461.81 ; v1(3340,2395) 3380.28,2435.28 3380.56,2435.28 3385.43,2440.16 U40.1@3385.43,2461.81
  L4 (Sig) w6: v1(2200,2005) 2200,2040 v1(2280,2120) ; v1(2810,2400) v1(3095,2400) 3098.37,2396.63 3105.7,2396.63 3107.33,2395 v1(3340,2395)
AIN_MUX_LS_SE_A1: R136.2 U35.16 U38.16 U40.16 | length 2171.1
  L1 (Sig) w6: R136.2@2100,1967.5 v1(2100,2005) ; v1(2840,2700) 2851.81,2688.19 U35.16@2885.43,2688.19 ; U38.16@3135.43,2688.19 3135.43,2639.57 3147.79,2627.21 3155.46,2627.21 v1(3158.83,2623.83) ; U40.16@3385.43,2688.19 3385.43,2629.57 3398.78,2616.22 3413.78,2616.22 v1(3415,2615)
  L4 (Sig) w6: v1(2100,2005) 2100,2040 2250,2190 2250,2560 2390,2700 v1(2840,2700) 2916.17,2623.83 v1(3158.83,2623.83) 3158.83,2606.17 3180,2585 3200,2585 3230,2615 v1(3415,2615)